# Altium PCB Wirless Security Detector.PcbDoc (part 2 of 2)
Units mm, origin at the board's own origin, x right, y up, seen from the top; angles counter-clockwise.
Board outline 100.3 x 96.77 mm, 4 copper layers (Top Layer, GROUND, Int2 (PWR), Bottom Layer), stack 1.369 mm thick; 127 components, 88 nets, 449 pads, 106 vias.
Unrouted connection lines stored in the file: 24.
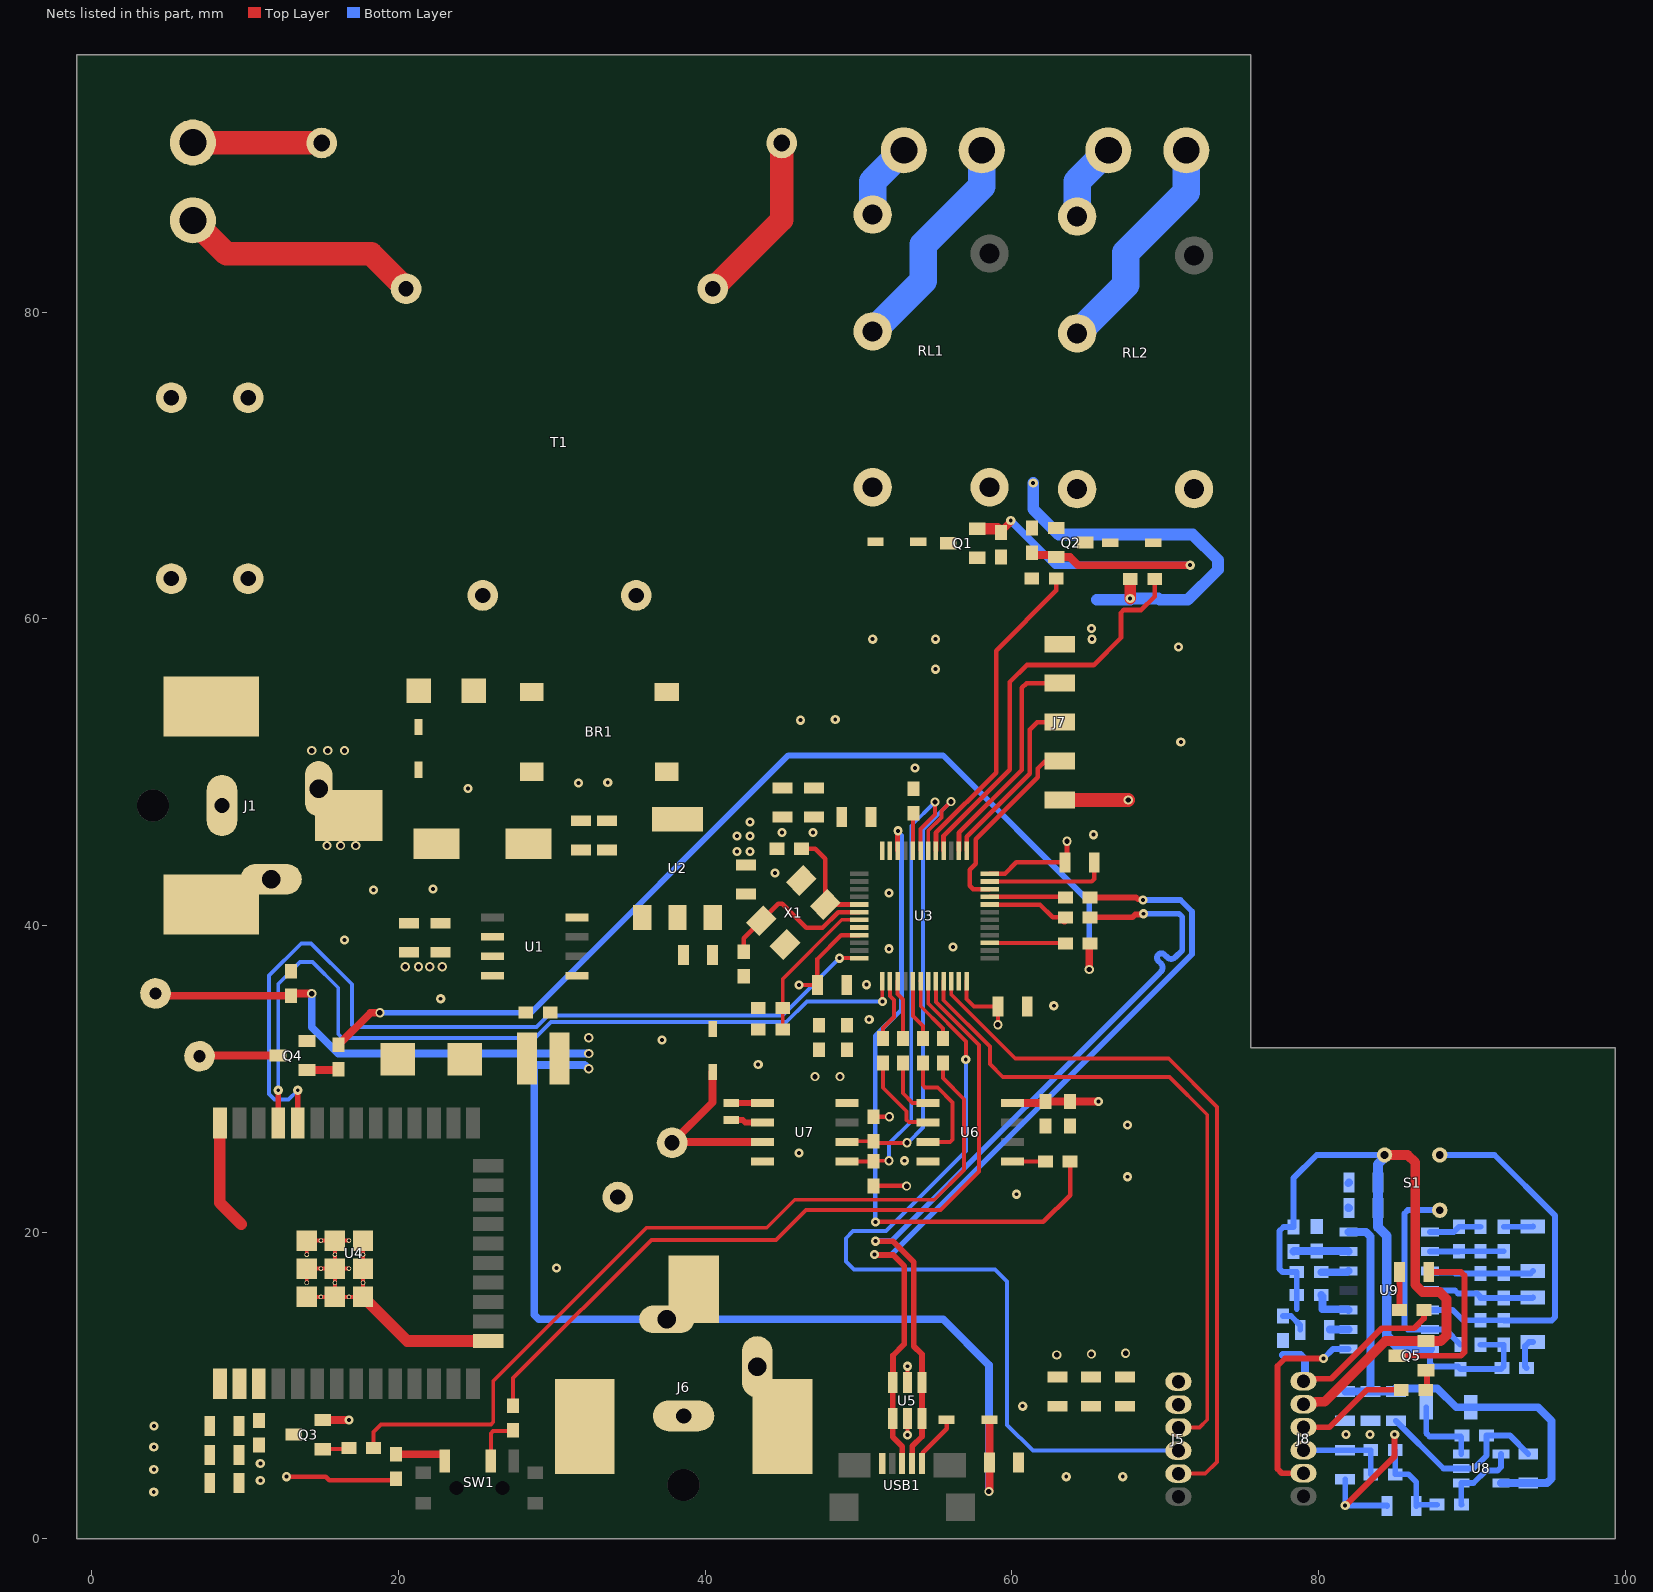
[diagram p4: the nets of this part, all layers, seen from the top]

## Via types
v1: diameter 0.6, hole 0.254, Top Layer to Bottom Layer, 75 vias
v2: diameter 0.6, hole 0.35, Top Layer to Bottom Layer, 29 vias
v3: diameter 0.6, hole 0.35, Top Layer to Bottom Layer, tented both sides, 2 vias

## Nets (pads, with @x,y where several pads share a name; then routed paths per layer and width w, separated by ;. In a path a pad name is that pad's centre, name@x,y a point inside that pad or via, vN(x,y) a via of type N, cw(c..) or ccw(c..) an arc to the next point about the centre after c; other vN are vias at no path point)
3V3DC: C6.2 C7.2 C11.2 C13.2 C14.2 C15.2 C16.2 C17.2 C21.2 C22.2 C23.2 C24.2 C25.2 C26.2 C28.2 C29.2 C46.2 C47.2 D5.2 J5.1 J7.1 R7.2 R8.2 R10.2 R14.1 U2.3 U3.9 U3.24 U3.36 U3.48 U4.2 U5.5 U6.8 U7.8 | length 39.1
  Top Layer w0.254: v1(53.188,6.782) U5.5@53.188,7.849 ; U3.24@57.05,36.375 57.05,35.206 57.535,34.722 C22.2@59.106,34.722 ; v2(59.091,33.528) 59.098,33.536 C22.2@59.098,34.714
  Top Layer w0.279: v1(46.126,36.119) C23.2@47.335,36.119 ; C23.2@47.32,36.185 47.32,37.821 48.875,39.375 U3.9@50.05,39.375 ; U3.36@58.55,43.375 59.555,43.375
  Top Layer w0.305: v1(12.7,4.064) 15.265,4.064 15.491,3.839 R10.2@19.837,3.839 ; R7.2@50.972,27.559 50.997,27.534 v2(52.019,27.534) ; R8.2@50.978,23.026 53.125,23.025 v2(53.137,23.012) ; 59.555,43.375 60.3,44.12 C21.2@63.475,44.12 ; C21.2@63.602,44.12 v2(63.602,45.491)
  Top Layer w0.508: U6.8@60.05,28.43 62.105,28.43 C28.2@62.2,28.525 C47.2@63.8,28.525 v1(65.658,28.525)
  Top Layer w0.889: J7.1@63.119,48.184 v2(67.589,48.184)
  other v1: 10.998,3.81 10.998,4.928 42.088,44.831 42.926,44.831 42.088,45.847 42.926,45.847 42.926,46.761
  other v2: 62.926,12.004 65.186,12.055 67.421,12.105 47.168,30.15 48.793,30.15
3V3DC_S: C35.2 C41.2 C42.2 C43.1 C44.1 C45.1 J8.1 R30.2 R31.2 R33.2 RT1.2 U8.5 U9.14 | length 46.5
  Top Layer w0.381: J8.1@79.019,10.29 79.176,10.447 80.83,10.447 84.125,13.741 86.233,13.741 86.868,14.376 86.868,14.922 R33.2@86.881,14.935
  Bottom Layer w0.508: 77.673,11.989 78.823,11.989 79.121,11.691 79.121,10.391 J8.1@79.019,10.29 ; C44.1@81.737,9.611 C45.1@83.388,9.611 ; C41.2@81.94,21.631 C41.2@81.981,21.59 C41.2@81.951,21.56 ; C42.2@81.94,23.2 C42.2@81.981,23.241 ; U9.14@81.951,20.018 83.091,20.018 83.388,19.72 C45.1@83.388,9.611 ; C43.1@85.039,9.611 C45.1@83.388,9.611 ; C43.1@85.039,9.817 87.742,9.817 88.974,8.585 RT1.2@89.918,8.585 94.31,8.585 95.199,7.696 95.199,3.945 94.902,3.647 C35.2@93.675,3.647 U8.5@91.902,3.647
"5V DC": BZ1.2 C3.2 C4.2 C9.1 C12.2 C30.2 D3.1 J6.1 L1.2 U1.4 U2.1 | length 95.1
  Top Layer w0.508: BZ1.2@4.166,35.573 4.314,35.425 C30.2@13,35.425 13.135,35.56 v3(14.351,35.56) ; v2(58.506,3.099) 58.506,3.124 58.537,3.154 C12.2@58.537,4.978 58.547,4.989 D3.1@58.547,7.772
  Bottom Layer w0.508: v3(14.351,35.56) 14.351,33.376 16.078,31.648 v3(32.41,31.648) ; v2(32.41,30.658) 32.386,30.658 32.132,30.912 28.942,30.912 28.854,30.824 28.854,14.623 29.152,14.325 J6.1@37.5,14.325 55.525,14.325 58.506,11.344 v2(58.506,3.099)
  other v2: 32.41,32.69
"12V DC": C1.2 C2.2 D2.1 D4.1 D8.1 J1.1 RL1.5 RL2.4 U1.7
  other v2: 20.447,37.313 21.311,37.313 22.047,37.313 22.86,37.313 15.342,45.212 16.231,45.212 17.221,45.212 14.351,51.41 15.392,51.41 16.485,51.41
AC_LINE_1: J3.1 R1.1 | length 8.4
  Top Layer w1.524: J3.1@6.604,91.059 6.621,91.042 14.983,91.042 R1.1@15,91.025
AC_LINE_2: J3.2 T1.5 | length 15.7
  Top Layer w1.524: J3.2@6.604,85.979 8.788,83.795 18.23,83.795 T1.5@20.5,81.525
BUZZER: R13.2 R17.1 | length 66.9
  Top Layer w0.508: R17.1@16.1,32.225 18.19,34.315 v2(18.796,34.315) ; v2(65.049,37.135) 65.049,38.774 R13.2@65.1,38.825
  Bottom Layer w0.381: v2(18.796,34.315) 28.645,34.315 45.428,51.098 55.512,51.098 65.049,41.56 v2(65.049,37.135)
GND: BR1.4 C1.1 C2.1 C3.1 C4.1 C6.1 C7.1 C8.2 C9.2 C10.2 C11.1 C12.1 C13.1 C14.1 C15.1 C16.1 C17.1 C18.1 C19.1 C20.2 C21.1 C22.1 C23.1 C24.1 C25.1 C26.1 C27.2 C28.1 C29.1 C30.1 C46.1 C47.1 D1.A J1.2 J1.3 J5.2 J6.2 J6.3 J7.5 Q1.2 Q2.2 Q3.2 Q4.2 R3.1 R5.1 R9.1 R34.1 U1.6 U2.2 U3.8 U3.23 U3.35 U3.47 U4.1 U4.15 U4.38 U4.39 U5.2 U6.4 U7.4 USB1.5 X1.1 X1.3 | length 71.9
  Top Layer w0.254: U4.39@14.025,15.79 U4.39@14.942,15.79 U4.39@15.86,15.79 ; U4.39@14.025,16.707 U4.39@14.025,17.625 U4.39@14.942,17.625 U4.39@15.86,17.625 ; U4.39@14.025,18.542 U4.39@14.025,19.46 U4.39@14.942,19.46 U4.39@15.86,19.46 ; U4.39@16.778,17.625 U4.39@15.86,17.625 ; U4.39@16.778,19.46 U4.39@15.86,19.46 ; U4.39@17.695,19.46 U4.39@17.695,18.542 U4.39@17.695,17.625 U4.39@17.695,16.707 U4.39@17.695,15.79 U4.39@16.778,15.79 U4.39@15.86,15.79 ; U5.2@53.188,10.199 v1(53.188,11.265) ; U4.39@15.86,15.79 U4.39@15.86,16.707 U4.39@15.86,17.625 ; U4.39@15.86,17.625 U4.39@15.86,18.542 U4.39@15.86,19.46
  Top Layer w0.279: U3.35@58.55,42.875 65.211,42.875 65.375,43.039 C21.1@65.375,44.12
  Top Layer w0.508: Q3.2@15.067,7.757 v1(16.779,7.757) ; R3.1@59.3,65.625 59.3,65.714 59.926,66.34 v1(59.926,66.403) ; R5.1@61.316,64.313 61.316,64.304 61.455,64.165 62.76,64.165 Q2.2@62.9,64.025 63.791,64.025 64.316,63.5 v1(71.628,63.5)
  Top Layer w0.762: U4.38@8.36,27.125 8.36,21.917 9.758,20.519 ; U4.39@17.695,15.79 20.575,12.91 U4.15@25.87,12.91 ; Q1.2@57.745,65.875 59.05,65.875 R3.1@59.3,65.625
  Bottom Layer w0.508: v1(59.926,66.403) 62.83,63.5 v1(71.628,63.5)
  other v1: 4.048,3.066 63.551,4.064 67.234,4.064 4.053,4.539 4.053,5.991 4.064,7.366 60.706,8.661 30.302,17.678 60.3,22.479 67.539,23.622 53.01,24.663 46.126,25.171 67.539,27 43.459,30.937 37.186,32.537 50.698,33.884 62.738,34.773 22.758,35.23 50.521,36.144 51.994,38.481 56.159,38.608 16.485,39.065 51.994,42.113 18.375,42.325 22.252,42.385 44.552,43.434 65.326,45.927 45.009,46.076 47.041,46.076 24.536,48.946 31.75,49.301 33.655,49.327 53.688,50.267 71.018,51.968 46.228,53.391 48.489,53.442 55.016,56.718 70.866,58.166 50.927,58.674 55.016,58.674 65.227,58.674 65.202,59.36
GND_S: C34.1 C35.1 C37.1 C38.1 C39.1 C40.1 C41.1 C42.1 C43.2 C44.2 C45.2 J8.2 Q5.2 R19.1 R21.1 R25.1 R28.1 R29.1 S1.3 U8.2 U9.7 | length 89.7
  Top Layer w0.381: v1(81.737,2.174) 84.963,5.4 v1(84.963,6.807)
  Top Layer w0.635: J8.2@79.019,8.79 79.128,8.898 79.777,8.898 79.826,8.947 80.397,8.947 84.353,12.903 Q5.2@86.995,12.903 87.969,12.903 88.341,13.275 88.341,15.655 87.897,16.1 86.782,16.1 86.309,16.572 86.309,24.545 85.814,25.041 S1.3@84.306,25.041
  Bottom Layer w0.381: 78.575,14.986 R28.1@78.575,17.399 77.668,17.399 77.445,17.622 77.445,20.079 77.711,20.345 C40.1@78.359,20.345 78.359,23.52 79.88,25.041 S1.3@84.306,25.041 ; C39.1@81.737,3.891 v1(81.737,2.174) 84.455,2.174 C37.1@84.47,2.159 ; C41.1@83.871,21.6 C41.1@83.881,21.59 ; C43.2@85.039,7.711 88.153,4.597 U8.2@89.302,4.597 90.106,4.597 90.945,5.436 R19.1@90.945,6.756 92.466,6.756 C35.1@93.675,5.547 ; U9.7@87.271,12.398 87.271,11.463 87.495,11.239 89.09,11.239 C34.1@89.256,11.074 91.885,11.074 R21.1@91.961,11.151 92.075,11.265 R25.1@92.075,12.662 C38.1@90.551,12.662
  Bottom Layer w0.635: C41.1@83.871,21.6 83.871,24.438 S1.3@84.306,24.873 ; C41.1@83.881,21.59 83.881,20.335 84.455,19.761 84.455,13.233 85.29,12.398 U9.7@87.271,12.398
  other v1: 81.788,6.807 83.363,6.807
LED_DRIVER: J5.3 U3.21 | length 44.2
  Top Layer w0.254: U3.21@55.55,36.375 55.55,35.131 58.572,32.109 58.572,30.963 59.411,30.124 70.282,30.124 72.746,27.661 72.746,7.772 72.236,7.263 J5.3@70.866,7.263
LED_S: J8.3 R32.1 | length 7.4
  Top Layer w0.381: J8.3@79.019,7.29 80.721,7.29 83.16,9.728 R32.1@85.395,9.728
"LİGHT_1 GND": J4.2 RL1.3 | length 5
  Bottom Layer w1.778: RL1.3@50.927,86.36 50.927,88.519 J4.2@52.959,90.551
"LİGHT_1 VCC": J4.1 RL1.2 | length 14.8
  Bottom Layer w1.778: RL1.2@50.927,78.74 54.229,82.042 54.229,84.404 58.039,88.214 J4.1@58.039,90.551
"LİGHT_2 GND": J2.2 RL2.3 | length 5.2
  Bottom Layer w1.778: RL2.3@64.262,86.233 64.262,88.519 J2.2@66.294,90.551
"LİGHT_2 VCC": J2.1 RL2.2 | length 14.9
  Bottom Layer w1.778: RL2.2@64.262,78.613 67.437,81.788 67.437,83.871 71.374,87.808 J2.1@71.374,90.551
MCU_N: R11.1 U3.32 | length 5.6
  Top Layer w0.305: U3.32@58.563,41.362 61.838,41.362 62.662,40.538 R11.1@63.5,40.538 ; R11.1@63.233,40.361 63.386,40.208 R11.1@63.475,40.208
MCU_P: R12.1 U3.33 | length 5
  Top Layer w0.305: U3.33@58.55,41.875 63.459,41.875 R12.1@63.5,41.834
NetBR1_1: BR1.1 T1.9
NetBR1_2: BR1.2 T1.7
NetBR1_3: BR1.3 F1.1
NetBZ1_1: BZ1.1 Q4.3 | length 5.1
  Top Layer w0.508: BZ1.1@7.034,31.477 7.082,31.525 Q4.3@12.155,31.525
NetC5_1: C5.1 U1.1
NetC5_2: C5.2 D1.C L1.1 U1.8
NetC8_1: C8.1 C10.1 D8.2 F1.2
NetC18_2: C18.2 U3.5 X1.2 | length 7
  Top Layer w0.305: C18.2@46.279,45.009 47.168,45.009 47.828,44.348 X1.2@47.828,41.377 50.049,41.377 U3.5@50.05,41.375
NetC19_2: C19.2 U3.6 X1.4 | length 10.4
  Top Layer w0.305: C19.2@42.52,38.291 42.52,39.179 X1.4@43.656,40.316 44.768,41.428 45.021,41.428 46.597,39.853 47.655,39.853 48.677,40.875 U3.6@50.05,40.875
NetC27_1: C27.1 D5.1 U7.3 | length 11.6
  Top Layer w0.508: D5.1@40.488,30.452 40.488,28.473 C27.1@37.846,25.832 37.904,25.89 U7.3@43.75,25.89
NetC31_1: C31.1 R21.2 | length 2.1
  Bottom Layer w0.381: R21.2@93.561,11.151 93.472,11.239 93.472,12.591 93.732,12.85 C31.1@93.98,12.85
NetC31_2: C31.2 C33.1 R20.1 U9.4 | length 7
  Bottom Layer w0.381: U9.4@87.271,16.208 88.897,16.208 89.103,16.002 90.348,16.002 90.551,15.799 C33.1@90.551,15.71 R20.1@92.075,15.71 93.94,15.71 C31.2@93.98,15.75
NetC32_1: C32.1 C33.2 R20.2 U9.3 | length 6.8
  Bottom Layer w0.381: U9.3@87.271,17.478 87.371,17.378 88.844,17.378 88.913,17.31 R20.2@92.075,17.31 93.817,17.31 C32.1@93.98,17.473
NetC32_2: C32.2 R22.1 | length 1.9
  Bottom Layer w0.381: R22.1@92.075,20.358 93.965,20.358 C32.2@93.98,20.373
NetC34_2: C34.2 S1.1 U9.6 | length 13.9
  Bottom Layer w0.381: S1.1@87.906,21.441 85.821,21.441 85.598,21.218 85.598,13.891 85.821,13.668 86.829,13.668 U9.6@87.271,13.668 88.262,13.668 C34.2@89.256,12.675
NetC36_1: C36.1 R22.2 R24.1 U9.2 | length 4.8
  Bottom Layer w0.381: U9.2@87.271,18.748 89.144,18.748 R24.1@89.154,18.758 C36.1@90.551,18.758 R22.2@92.075,18.758
NetC36_2: C36.2 R24.2 U9.1 | length 3.4
  Bottom Layer w0.381: U9.1@87.271,20.018 88.814,20.018 R24.2@89.154,20.358 C36.2@90.551,20.358
NetC37_2: C37.2 R23.2 R26.1 R27.1 | length 6.1
  Bottom Layer w0.381: R27.1@85.001,5.791 R26.1@85.001,4.216 85.872,4.216 86.37,3.719 C37.2@86.37,2.159 86.446,2.235 R23.2@87.719,2.235
NetC38_2: C38.2 R25.2 S1.2 U9.5 | length 24.3
  Bottom Layer w0.381: U9.5@87.271,14.938 88.745,14.938 89.421,14.262 C38.2@90.551,14.262 R25.2@92.075,14.262 92.088,14.249 95.205,14.249 95.428,14.473 95.428,21.082 91.469,25.041 S1.2@87.906,25.041
NetC40_2: C40.2 R31.1 U9.13 | length 3.6
  Bottom Layer w0.508: C40.2@78.359,18.745 78.397,18.783 R31.1@79.883,18.783 81.916,18.783 U9.13@81.951,18.748
NetD2_2: D2.2 Q1.3 RL1.4
NetD3_2: D3.2 USB1.1 | length 3.5
  Top Layer w0.305: USB1.1@54.15,4.925 54.198,4.973 54.198,5.63 55.747,7.179 D3.2@55.747,7.772
NetD4_2: D4.2 Q2.3 RL2.5
NetD6_1: D6.1 U9.9 | length 1.2
  Bottom Layer w0.508: D6.1@80.734,13.668 80.748,13.654 81.937,13.654 U9.9@81.951,13.668
NetD6_2: D6.2 R30.1 | length 1.7
  Bottom Layer w0.381: R30.1@77.673,14.541 78.204,14.541 78.806,13.94 D6.2@78.806,13.64
NetD7_1: D7.1 Q5.3 | length 11.9
  Top Layer w0.381: Q5.3@85.105,11.953 89.286,11.953 89.51,12.176 89.51,17.176 89.286,17.399 D7.1@87.183,17.399
NetD7_2: D7.2 R33.1 | length 2.5
  Top Layer w0.381: R33.1@85.281,14.935 85.283,14.938 D7.2@85.283,17.399
NetJ5_5: J5.5 U3.22 | length 47.2
  Top Layer w0.254: U3.22@56.05,36.375 56.05,35.491 60.223,31.318 70.231,31.318 73.381,28.169 73.381,5.029 72.614,4.263 J5.5@70.866,4.263
NetJ8_5: J8.5 U9.8 | length 13.6
  Top Layer w0.381: J8.5@79.019,4.29 77.6,4.29 77.318,4.572 77.318,11.278 77.813,11.773 v1(80.328,11.773)
  Bottom Layer w0.381: v1(80.328,11.773) 80.953,12.398 U9.8@81.951,12.398
NetQ1_1: Q1.1 R2.2 R3.2
NetQ2_1: Q2.1 R4.2 R5.2 | length 25.8
  Top Layer w0.762: v1(67.716,61.321) R4.2@67.716,62.586
  Bottom Layer w0.762: v1(61.392,68.859) 61.392,67.158 63.055,65.494 71.793,65.494 73.446,63.841 73.446,63.21 71.476,61.239 69.637,61.239 69.555,61.321 v1(67.716,61.321) ; 65.532,61.239 v1@67.716,61.239
NetQ3_1: Q3.1 R15.2 | length 1.7
  Top Layer w0.254: Q3.1@15.067,5.857 16.69,5.857 R15.2@16.777,5.944
NetQ4_1: Q4.1 R17.2 | length 2.1
  Top Layer w0.508: Q4.1@14.045,30.575 16.05,30.575 R17.2@16.1,30.625
NetQ5_1: Q5.1 R32.2 | length 1.3
  Top Layer w0.381: R32.2@86.995,9.728 87.071,9.804 87.071,10.927 Q5.1@86.995,11.003
NetR1_2: R1.2 T1.1 | length 11.4
  Top Layer w1.524: T1.1@40.5,81.525 45,86.025 R1.2@45,91.025
NetR2_1: R2.1 U3.41 | length 21
  Top Layer w0.305: U3.41@55.05,44.875 55.05,46.038 58.976,49.965 58.976,57.927 62.9,61.85 R2.1@62.9,62.625
NetR4_1: R4.1 U3.40 | length 26.6
  Top Layer w0.305: U3.40@55.55,44.875 55.55,45.856 59.868,50.174 59.868,55.88 60.973,56.985 65.341,56.985 67.12,58.763 67.12,60.4 67.298,60.579 68.44,60.579 69.317,61.455 R4.1@69.317,62.586
NetR6_2: R6.2 SW1.2 | length 3.3
  Top Layer w0.254: SW1.2@26.03,5.075 26.03,6.887 26.178,7.036 27.432,7.036 R6.2@27.483,7.087
NetR10_1: R10.1 SW1.1 | length 3.6
  Top Layer w0.508: R10.1@19.837,5.527 22.934,5.527 23.03,5.431 SW1.1@23.03,5.075
NetR13_1: R13.1 U3.27 | length 5
  Top Layer w0.254: U3.27@58.55,38.875 63.45,38.875 R13.1@63.5,38.825
NetR16_1: R16.1 U3.18 | length 4.3
  Top Layer w0.254: U3.18@54.05,36.375 54.059,36.366 54.059,34.739 55.5,33.298 R16.1@55.5,32.636
NetR18_1: R18.1 U6.5 | length 2.2
  Top Layer w0.254: U6.5@60.05,24.62 60.055,24.625 R18.1@62.2,24.625
NetR19_2: R19.2 RT1.1 U8.3 | length 5.2
  Bottom Layer w0.381: RT1.1@87.018,8.585 87.018,6.903 87.241,6.68 89.268,6.68 89.302,6.647 U8.3@89.302,5.547
NetR23_1: R23.1 U8.1 U8.4 | length 5.3
  Bottom Layer w0.381: R23.1@89.319,2.235 89.302,2.252 U8.1@89.302,3.647 90.106,3.647 90.929,4.47 91.679,4.47 91.902,4.694 U8.4@91.902,5.547
NetR28_2: R28.2 U9.12 | length 1.8
  Bottom Layer w0.508: R28.2@80.175,17.399 81.872,17.399 U9.12@81.951,17.478
NetR29_2: R29.2 U9.10 | length 2.7
  Bottom Layer w0.508: R29.2@80.175,15.9 80.264,15.811 80.264,14.986 81.903,14.986 U9.10@81.951,14.938
NetR34_2: R34.2 U3.44 | length 2.5
  Top Layer w0.203: R34.2@53.55,47.276 R34.2@53.594,47.32
  Top Layer w0.254: U3.44@53.55,44.875 R34.2@53.55,47.276
NetR35_1: R35.1 U6.1 | length 3.9
  Top Layer w0.254: R35.1@52.9,31.036 52.9,29.066 53.536,28.43 U6.1@54.55,28.43
NetR36_1: R36.1 U6.3 | length 7.9
  Top Layer w0.254: R36.1@54.2,31.036 54.2,29.587 54.349,29.439 55.169,29.439 56.134,28.473 56.134,26.039 55.985,25.89 U6.3@54.55,25.89
NetR37_1: R37.1 U6.2 | length 5.8
  Top Layer w0.254: R37.1@51.6,31.036 51.6,29.426 53.137,27.889 53.137,27.327 53.286,27.178 54.532,27.178 U6.2@54.55,27.16
NetU7_1: U7.1 X2.2 | length 2.1
  Top Layer w0.381: X2.2@41.7,28.425 U7.1@43.745,28.425
  Top Layer w0.508: U7.1@43.745,28.425 U7.1@43.75,28.43
NetU7_2: U7.2 X2.1 | length 2.1
  Top Layer w0.381: X2.1@41.7,27.325 42.454,27.325 42.454,27.32 42.614,27.16 U7.2@43.75,27.16
NRST: C20.1 R9.2 U3.7 | length 9.9
  Top Layer w0.254: R9.2@45.06,33.22 C20.1@45.06,34.62 45.06,36.525 48.909,40.375 U3.7@50.05,40.375
"RTC SCL": R7.1 U3.42 U7.6 | length 31.3
  Top Layer w0.254: U7.6@49.25,25.89 49.293,25.933 50.972,25.933 51.073,25.832 v2(53.162,25.832) ; U3.42@54.55,44.875 54.55,46.185 55.423,47.058 55.423,47.473 v2(56.032,48.082)
  Bottom Layer w0.254: v2(53.162,25.832) 53.213,25.832 54.204,26.822 54.204,46.253 v2(56.032,48.082)
"RTC SDA": R8.1 U3.43 U7.5 | length 31
  Top Layer w0.254: U7.5@49.25,24.62 49.255,24.625 R8.1@50.978,24.626 51.016,24.663 v2(51.994,24.663) ; U3.43@54.05,44.875 54.05,46.296 54.991,47.237 v2(54.991,48.057)
  Bottom Layer w0.254: v2(51.994,24.663) 51.994,25.781 53.442,27.229 53.442,46.507 v2(54.991,48.057)
"SENSOR ON/OFF": R6.1 U3.20 | length 51.3
  Top Layer w0.254: R6.1@27.483,8.687 27.483,10.49 36.5,19.507 44.628,19.507 46.584,21.463 55.347,21.463 57.857,23.974 57.857,30.451 57.861,30.455 57.861,32.21 55.05,35.021 U3.20@55.05,36.375
SWCLK: J7.3 U3.37 | length 11.8
  Top Layer w0.305: U3.37@57.05,44.875 57.05,45.798 61.163,49.911 61.163,52.781 61.646,53.264 J7.3@63.119,53.264
SWDIO: J7.2 U3.34 | length 12.5
  Top Layer w0.305: U3.34@58.55,42.375 57.472,42.375 57.252,42.596 57.252,43.625 57.658,44.031 57.658,45.631 61.697,49.67 61.697,50.241 62.179,50.724 J7.2@63.119,50.724
TDI: J7.4 U3.38 | length 14.9
  Top Layer w0.305: U3.38@56.55,44.875 56.55,46.038 60.655,50.143 60.655,55.499 60.96,55.804 J7.4@63.119,55.804
"TEMP IN CS": R37.2 U3.14 | length 4.2
  Top Layer w0.254: R37.2@51.6,32.636 51.6,33.31 52.324,34.034 52.324,35.145 52.05,35.419 U3.14@52.05,36.375
"TEMP IN OT": R18.2 U3.46 | length 43.2
  Top Layer w0.305: v1(51.105,20.676) 62.052,20.676 63.8,22.424 R18.2@63.8,24.625 ; U3.46@52.55,44.875 52.55,46.149 v1(52.578,46.177)
  Bottom Layer w0.305: v1(51.105,20.676) 51.105,32.815 52.807,34.517 52.807,45.869 52.578,46.097 v1(52.578,46.177)
"TEMP IN SCLK": R35.2 U3.15 | length 3.9
  Top Layer w0.254: U3.15@52.55,36.375 52.55,35.53 52.9,35.18 R35.2@52.9,32.636
"TEMP IN SIO": R36.2 U3.17 | length 4
  Top Layer w0.254: U3.17@53.55,36.375 53.55,34.105 54.2,33.455 R36.2@54.2,32.636
TEMP_ADC: C39.2 J8.4 R26.2 R27.2 | length 6
  Bottom Layer w0.381: J8.4@79.019,5.79 81.736,5.79 C39.2@81.737,5.791 R27.2@83.401,5.791 R26.2@83.401,4.216
TEMPERATURE_ADC: J5.4 U3.19 | length 56.1
  Top Layer w0.254: U3.19@54.55,36.375 54.55,34.91 57.018,32.442 57.018,31.288 v1(56.998,31.267)
  Bottom Layer w0.254: v1(56.998,31.267) 57.018,31.247 57.018,25.302 51.787,20.071 49.636,20.071 49.174,19.609 49.174,18.107 49.704,17.577 58.903,17.577 59.69,16.789 59.69,7.442 61.369,5.763 J5.4@70.866,5.763
USB_N: R11.2 U5.1 U5.6 USB1.2 | length 54.1
  Top Layer w0.374: v1(51.115,19.419) 52.259,19.419 53.611,18.067 53.611,12.566 54.138,12.04 U5.1@54.138,10.199 U5.6@54.138,7.849 54.138,6.69 53.5,6.053 USB1.2@53.5,4.925 ; R11.2@65.1,40.538 67.869,40.538 68.045,40.714 68.378,40.714 68.387,40.724 68.547,40.724 v1(68.59,40.767)
  Bottom Layer w0.374: v1(51.115,19.419) 51.133,19.437 52.163,19.437 69.588,36.863 69.721,36.995 ccw(c69.456,37.26) 69.721,37.524 69.551,37.694 cw(c69.755,37.898) 69.551,38.102 cw(c69.755,37.898) 69.959,38.102 70.129,37.932 ccw(c70.393,38.197) 70.658,37.932 71.12,38.394 71.12,40.548 70.901,40.767 v1(68.59,40.767)
USB_P: R12.2 U5.3 U5.4 USB1.3 | length 54.3
  Top Layer w0.374: v1(51.054,18.542) 51.072,18.524 52.266,18.524 52.983,17.806 52.983,12.705 52.252,11.974 U5.3@52.252,10.199 ; U5.3@52.238,10.199 U5.4@52.238,7.849 52.238,6.65 52.85,6.038 USB1.3@52.85,4.925 ; R12.2@65.1,41.834 68.097,41.834 68.224,41.707 68.504,41.707 v1(68.547,41.664)
  Bottom Layer w0.374: v1(51.054,18.542) 52.156,18.542 71.748,38.134 71.748,40.91 70.994,41.664 v1(68.547,41.664)
"WIFI EN": R15.1 R16.2 | length 55.7
  Top Layer w0.254: R15.1@18.377,5.944 18.377,6.972 18.872,7.468 26.039,7.468 26.187,7.616 26.187,10.312 36.17,20.295 44.018,20.295 45.847,22.123 54.94,22.123 56.871,24.054 56.871,28.677 55.5,30.047 R16.2@55.5,31.036
"WIFI OUT": Q3.3 R14.2 U4.3
WIFI_RXD: U3.12 U4.34 | length 57.2
  Top Layer w0.254: U4.34@13.437,27.128 U4.34@13.44,27.125 ; v1(48.768,37.871) 50.047,37.871 U3.12@50.05,37.875
  Top Layer w0.381: U4.34@13.437,27.128 v1(13.437,29.261)
  Bottom Layer w0.254: v1(13.437,29.261) 12.832,28.656 11.916,28.656 11.562,29.01 11.562,36.733 13.665,38.837 14.3,38.837 16.967,36.17 16.967,33.524 17.116,33.376 29.006,33.376 29.768,34.138 45.034,34.138 v1(48.768,37.871)
WIFI_TXD: U3.13 U4.35 | length 55.2
  Top Layer w0.254: U4.35@12.167,27.128 U4.35@12.17,27.125 ; U3.13@51.55,36.375 51.55,35.064 v1(51.562,35.052)
  Top Layer w0.381: U4.35@12.167,27.128 v1(12.167,29.261)
  Bottom Layer w0.254: v1(12.167,29.261) 12.167,36.195 13.589,37.617 14.402,37.617 16.078,35.941 16.078,32.918 16.332,32.664 28.905,32.664 29.947,33.706 45.288,33.706 46.634,35.052 v1(51.562,35.052)
pads on no net: J1. J5.6 J6. J8.6 RL1.1 RL2.1 SW1. SW1.3 U1.2 U1.3 U1.5 U3.1 U3.2 U3.3 U3.4 U3.10 U3.11 U3.16 U3.25 U3.26 U3.28 U3.29 U3.30 U3.31 U3.39 U3.45 U4.4 U4.5 U4.6 U4.7 U4.8 U4.9 U4.10 U4.11 U4.12 U4.13 U4.14 U4.16 U4.17 U4.18 U4.19 U4.20 U4.21 U4.22 U4.23 U4.24 U4.25 U4.26 U4.27 U4.28 U4.29 U4.30 U4.31 U4.32 U4.33 U4.36 U4.37 U6.6 U6.7 U7.7 U9.11 USB1. USB1.4

## Polygon pours and split planes (outlines as drawn)
GND on Top Layer (solid, pour order 41): 3.226,2.286 5.207,2.286 6.02,2.286 7.061,2.286 8.407,2.286 8.89,2.616 8.89,11.291 8.891,11.292 8.891,13.69 8.89,13.691 9.347,14.148 19.431,14.148 19.431,20.574 18.644,21.361 13.284,21.361 7.976,21.869 5.156,18.745 5.156,9.398 3.226,9.398
GND on Top Layer "GND_L01_P022" (solid, remove dead copper, pour order 22): 5.309,78.435 2.845,78.435 1.651,77.241 1.651,31.064 4.191,28.524 26.518,28.524 28.55,26.492 28.55,8.204 29.718,7.036 29.718,1.6 30.556,0.762 30.582,0.787 72.974,0.787 74.193,2.007 74.193,58.547 72.568,60.173 48.539,60.173 47.015,58.649 47.015,55.499 44.094,52.578 44.094,52.629 34.417,52.629 33.299,51.511 18.796,51.511 10.338,59.969 7.925,59.969 7.036,60.858 7.036,76.733 5.309,78.461
GND_S on Top Layer "GND_S_L01_P026" (solid, remove dead copper, pour order 26): 76.606,1.905 76.69,29.979 78.08,31.369 97.841,31.369 98.704,30.505 98.704,2.515 97.333,1.143 77.368,1.143
3V3DC on Top Layer "3V3DC_L01_P013" (solid, pour order 13): 39.294,43.763 39.294,33.145 40.054,32.385 40.869,32.385 41.707,33.223 41.707,42.331 41.87,42.494 43.713,42.494 43.739,42.52 43.739,47.676 44.094,48.031 49.705,48.031 cw(c30.49,40.601) 50.314,46.21 51.34,45.558 51.338,44.274 51.782,44.274 51.758,48.877 50.622,50.013 44.247,50.013 40.288,46.054
NetC8_1 on Top Layer "NETC8_1_L01_P004" (solid, pour order 4): 19.66,57.209 22.733,57.209 22.733,54.136 22.733,52.525 22.25,51.867 20.279,51.867 18.812,55.719 12.707,60.96 8.687,60.96 8.687,76.175 8.636,76.225 11.709,76.225 11.709,64.321
"5V DC" on Top Layer "5V_DC_L01_P007" (solid, pour order 11): 35.027,39.624 35.382,39.268 36.83,39.268 36.83,42.342 36.83,43.536 34.392,45.974 31.293,45.974 30.531,46.736 30.353,46.914 26.619,46.914 26.441,46.736 26.441,43.967 27.655,43.465 30.264,39.751 32.893,39.751 32.893,39.7 32.893,33.426 32.817,33.35 29.718,33.35 29.718,29.718 29.921,29.515 33.858,29.515 34.646,30.302 34.646,40.538 30.836,44.348 32.207,44.348 35.027,41.529
NetBR1_2 on Top Layer "NETBR1_2_L01_P016" (solid, pour order 16): 23.876,62.509 23.876,61.119 24.366,59.969 29.007,59.969 34.9,54.077 38.608,54.077 39.014,54.483 39.014,55.956 38.557,56.413 35.992,56.413 29.286,63.119 24.486,63.119
NetBR1_1 on Top Layer "NETBR1_1_L01_P017" (solid, pour order 17): 35.585,63.627 34.036,63.627 33.971,63.562 33.426,62.931 33.426,60.122 34.061,59.487 36.601,59.487 37.77,60.655 39.243,60.655 40.462,59.436 40.462,52.73 39.37,51.638 36.779,51.638 35.839,50.698 35.839,49.225 36.398,48.666 39.116,48.666 42.342,51.892 42.342,60.02 41.148,61.214 38.76,63.602 38.176,63.602
GND on Bottom Layer (solid, pour order 39): 5.74,2.286 7.087,0.94 73.076,0.94 74.549,2.413 74.549,59.08 73.279,60.35 50.19,60.35 46.965,57.125 8.433,57.125 7.417,58.141 7.417,63.627 5.994,65.049 3.353,65.049 1.702,63.398 1.702,50.394 1.702,43.84 2.819,42.723 6.421,42.723 8.808,40.335 10.714,40.335 13.386,39.192 13.386,36.83 12.421,36.723 12.421,31.121 15.113,29.108 26.238,29.108 27.483,27.864 27.483,13.284 20.726,13.284 19.431,14.58 19.431,20.574 18.644,21.361 13.284,21.361 13.284,17.349 5.207,15.444 5.207,9.398 3.226,9.398 3.226,2.286
GND_S on Bottom Layer "GND_S_L04_P027" (solid, remove dead copper, pour order 27): 76.708,29.997 78.105,31.394 97.815,31.394 98.73,30.48 98.73,2.565 97.307,1.143 77.368,1.143 76.683,1.829 76.708,1.854
"5V DC" on Int2 (PWR) (split plane): 34.593,33.617 34.593,30.137 33.414,28.957 28.753,28.957 28.713,28.952 28.676,28.937 28.644,28.912 28.212,28.48 28.188,28.449 28.173,28.412 28.167,28.372 28.167,15.24 28.173,15.2 28.188,15.163 28.212,15.131 28.771,14.573 28.803,14.548 28.84,14.533 28.88,14.527 34.087,14.527 34.127,14.533 34.164,14.548 34.195,14.573 36.36,16.737 39.433,16.737 40.461,15.71 40.461,13.195 39.179,11.914 26.226,11.914 25.046,13.094 25.046,28.918 30.62,34.492 33.718,34.492
3V3DC_S on Int2 (PWR) (split plane): 98.829,0.51 76.164,0.51 76.164,31.527 98.829,31.527
"12V DC" on Int2 (PWR) (split plane): 151 vertices, not listed, extent 12.677,36.858 74.089,70.838
3V3DC on Int2 (PWR) (split plane): 13.792,57.302 47.269,57.302 47.269,72.796 75.017,72.796 75.017,0.51 -0.455,0.51 -0.455,8.763 7.595,8.763 7.595,28.321 -0.455,28.321 -0.455,77.597 13.792,77.597
GND_S on GROUND (split plane): 98.829,0.51 76.519,0.51 76.519,31.527 98.829,31.527
GND on GROUND (split plane): 0.127,77.597 13.792,77.597 13.792,57.302 47.269,57.302 47.269,72.796 74.661,72.796 74.661,0.51 -0.455,0.51 -0.455,8.763 7.595,8.763 7.595,28.321 -0.455,28.321 -0.455,96.264 0.127,96.264

## Keep-outs
Top Layer:
  circle w0.254: c71.984,34.163 r1.5
Keep-Out Layer:
  lines w0.254: 75.564,32.038 97.155,32.038 99.339,32.038 99.339,0 97.155,0 -0.965,0 -0.965,96.774 75.565,96.774 75.565,32.038

## Other copper
Top Layer:
  region net NetQ2_1: 60.554,65.375 60.816,65.113 63.462,65.113 63.729,65.38 63.729,66.446 63.424,66.751 62.433,66.751 62.255,66.929 62.255,69.063 61.874,69.444 60.858,69.444 60.554,69.139
  region net NetD4_2: 66.091,65.659 65.761,65.989 65.761,69.977 65.405,70.333 63.017,70.333 62.713,70.028 62.713,67.183 62.916,66.98 63.83,66.98 64.008,66.802 64.008,64.491 64.237,64.262 66.904,64.262 67.132,64.491 67.132,65.405 66.878,65.659 66.573,65.659
  region net "12V DC": 26.797,38.481 23.673,38.481 23.444,38.71 19.761,38.71 19.482,38.43 19.482,37.49 20.091,36.881 23.038,36.881 23.673,37.516 26.746,37.516 27,37.77 27,38.278
  region net "12V DC": 18.136,50.8 16.916,52.019 14.122,52.019 12.903,50.8 12.903,45.974 14.021,44.856 19.126,44.856 20.066,45.796 20.066,49.225 21.996,49.225 22.479,49.708 22.479,50.698 22.297,50.881
  region net "12V DC": 49.886,70.079 51.968,70.079 52.553,69.494 52.553,64.973 51.74,64.16 50.013,64.16 49.352,64.821 49.352,69.545
  region net "12V DC": 68.321,64.445 68.605,64.16 69.723,64.16 70.333,64.77 70.333,65.888 71.349,66.904 72.974,66.904 73.406,67.335 73.406,69.875 72.898,70.383 69.367,70.383 68.321,69.337
  region: 71.984,34.671 ccw(c71.984,34.163) 71.476,34.163 ccw(c71.984,34.163) 71.984,33.655 ccw(c71.984,34.163) 72.492,34.163 ccw(c71.984,34.163) 71.984,34.671
  region net 3V3DC: 71.714,9.616 62.164,9.616 61.605,10.175 61.605,11.953 62.164,12.512 69.987,12.512 70.393,12.105 70.787,11.711 71.676,11.711 72.095,11.293 72.095,9.997
  region net 3V3DC: 50.419,27.965 50.419,32.034 49.751,32.703 46.85,32.703 46.304,32.156 46.304,29.388 48.057,29.388 48.387,29.058 48.387,28.092 48.641,27.838 50.292,27.838
  region net 3V3DC: 12.827,2.667 14.173,4.013 14.173,4.191 13.449,4.915 11.836,4.915 11.836,6.223 11.134,6.925 10.4,6.925 10.109,7.216 10.109,11.43 10.008,11.532 9.22,11.532 9.017,11.328 9.017,3.073 9.423,2.667
  region net 3V3DC_S: 78.13,10.566 78.13,10.008 78.461,9.677 79.502,9.677 80.213,10.389 80.146,10.551 79.591,10.922 78.486,10.922
  region net GND_S: 78.13,9.066 78.13,8.508 78.461,8.177 79.502,8.177 80.253,8.928 79.677,9.422 78.486,9.422
  region net LED_S: 78.13,7.566 78.13,7.008 78.461,6.677 79.601,6.677 80.22,7.297 79.578,7.922 79.591,7.922 78.486,7.922
  pour cut-out: 59.25,42.618 68.659,42.618 69.545,41.732 69.545,40.818 68.504,39.776 60.149,39.776 59.233,40.692 59.233,42.647
  region net NetQ1_1: 57.201,64.745 56.921,64.465 56.921,62.103 57.277,61.747 61.773,61.747 61.951,61.925 61.951,63.017 61.671,63.297 60.567,63.297 60.325,63.564 60.325,64.338 59.919,64.745
  region net "WIFI OUT": 10.338,11.303 10.338,7.366 10.516,7.188 11.481,7.188 12.522,6.147 13.767,6.147 14.021,6.401 14.021,7.214 12.979,8.255 11.659,8.255 11.506,8.407 11.506,11.201 11.405,11.303
  region net NetD2_2: 59.69,70.18 54.381,70.18 53.01,68.809 53.01,65.405 53.01,64.668 53.34,64.338 56.413,64.338 56.8,64.725 56.8,66.655 57.175,67.031 59.817,67.031 60.096,67.31 60.096,69.774
  region net NetBR1_3: 29.337,56.845 24.511,56.845 23.749,56.083 23.749,53.95 24.511,53.467 29.464,53.467 29.947,53.95 29.947,56.497
  region net NetC5_2: 27.788,35.077 27.153,35.077 27.109,36.877 26.819,37.16 25.197,37.16 24.994,36.957 24.994,34.569 24.003,33.579 23.393,33.579 22.809,32.995 22.809,30.226 23.724,29.312 28.905,29.312 29.413,29.82 29.413,33.071 28.778,33.706 28.778,34.9 28.6,35.077
  region net NetC5_1: 32.283,37.211 30.531,37.211 29.388,36.068 29.388,33.934 29.642,33.68 32.055,33.68 32.563,34.188 32.563,36.932
Bottom Layer:
  pour cut-out: 26.975,8.661 27.483,9.169 27.483,12.624 27.356,12.497 20.447,12.497 18.796,14.148 9.347,14.148 7.087,11.887 7.087,6.706 14.3,6.706 16.256,8.661
  region net "5V DC": 33.045,29.515 33.858,29.515 34.646,30.302 34.646,33.02 34.315,33.35 30.15,33.35 29.718,32.918 29.718,32.055 29.563,31.9 29.45,31.648 29.563,31.394 29.593,31.394 29.718,31.269 29.45,30.912 29.718,30.48 29.718,30.048 30.251,29.515 31.801,29.515 32.41,29.515
  region net "5V DC": 35.001,14.58 35.916,15.494 39.751,15.494 40.132,15.113 40.742,14.442 40.742,14.107 40.132,13.437 39.726,13.03 36.068,13.03 35.001,14.097
  region net 3V3DC: 70.866,10.163 70.859,10.155 70.231,10.155 70.231,10.719 70.764,11.252 70.968,11.252 71.526,10.693 71.526,10.154
  region net TEMP_ADC: 79.767,6.401 80.204,5.963 80.204,5.616 79.719,5.131 78.435,5.131 78.13,5.436 78.13,6.045 78.486,6.401
  region net 3V3DC_S: 80.67,24.155 79.324,22.809 79.324,19.837 79.578,19.583 82.954,19.583 83.239,19.869 83.239,23.745 82.829,24.155
  region net 3V3DC_S: 80.213,10.897 81.001,10.109 85.674,10.109 85.928,9.855 85.928,9.207 85.637,8.915 80.62,8.915 79.883,9.652 78.283,9.652 78.054,9.881 78.054,10.719 78.232,10.897
  region net GND_S: 79.731,9.423 81.026,8.128 85.7,8.128 85.928,7.899 85.928,7.442 84.912,6.426 81.407,6.426 79.705,8.128 78.257,8.128 78.003,8.382 78.003,9.195 78.232,9.423
  region net NetJ8_5: 78.272,3.679 77.835,4.116 77.835,4.463 78.32,4.949 79.604,4.949 79.908,4.644 79.908,4.034 79.553,3.679
  pour cut-out: 18.687,34.962 17.224,36.426 17.224,33.729 17.475,33.477 17.526,33.528 19.126,33.528 19.126,34.755
GROUND (plane layer: these items are gaps in the copper):
  rectangle: 0.127,77.597 15.519,96.596
  rectangle: 52.68,24.13 53.569,25.146
  rectangle: 69.977,7.899 71.755,10.287
  rectangle: 78.13,7.976 79.858,10.643
  rectangle: 16.51,16.434 17.043,16.993
  rectangle: 14.681,16.459 15.215,16.967
  rectangle: 15.596,17.399 16.078,17.882
  rectangle: 16.485,18.313 17.043,18.796
  rectangle: 14.707,18.288 15.24,18.796
  rectangle: -0.457,8.763 7.595,28.321
  rectangle: 13.97,72.796 75.794,97.13
  rectangle: 13.792,57.302 47.269,97.282
  lines w1.854: 75.59,0.508 75.59,96.352
Int2 (PWR) (plane layer: these items are gaps in the copper):
  rectangle: -0.533,8.763 7.595,28.321
  rectangle: -0.508,77.597 15.519,96.596
  rectangle: 13.792,57.302 47.269,97.282
  rectangle: 14.199,72.796 75.794,97.13
  lines w0.305: 24.892,13.03 24.892,28.981 30.556,34.646 33.782,34.646 34.747,33.68 34.747,30.074 33.477,28.804 28.753,28.804 28.321,28.372 28.321,15.24 28.88,14.681 34.087,14.681 36.297,16.891 39.497,16.891 40.615,15.773 40.615,13.132 39.243,11.76 26.162,11.76 24.892,13.03
  lines w0.559: 12.395,45.517 14.224,44.094 18.898,37.389 19.71,36.576 23.571,36.576 24.384,37.389 24.384,40.64 20.119,44.129 17.594,50.19 48.489,50.19 53.238,54.94 53.238,58.979 54.813,60.554 55.067,60.554 69.693,60.554 72.333,63.488 74.371,67.733 74.371,69.037 73.762,70.307 73.355,70.714 70.307,70.714 69.088,69.494 69.088,66.446 68.158,64.958 54.903,65.208 53.645,66.853 53.645,69.494 52.019,71.12 50.597,71.12 47.854,68.377 47.854,57.252 43.637,53.035 18.898,53.035 17.882,54.051 13.411,54.051 12.395,52.832 12.395,45.517
  lines w1.143: 75.59,0.076 75.59,96.699

## Silkscreen, mask and mechanical layers (free items; w line width, h text height)
Top Overlay:
  drawing of 1312 lines, arcs and shapes, not listed
  text "AC" at 2.972,79.248 h1.52 r90
  text "PROG" at 71.069,60.35 h1
  text "SENSOR" at 69.187,12.24 h0.7
  text "WiFi_sec._det._v01" at 94.958,5.739 h1 r90
  text "Mohammad Soukar" at 96.826,5.739 h1 r90
Bottom Overlay:
  lines w0.254: 78.93,21.59 78.93,22.885 78.943,22.885 ; 82.55,3.302 82.55,0.305 82.575,0.305 82.677,0.305 ; 82.728,0.305 82.677,0.305 ; 90.53,21.981 88.367,21.981 88.367,21.336 88.367,10.262 90.195,10.262 90.195,11.862 92.862,11.862 92.862,21.981 90.551,21.981 90.528,22.004 90.528,27.47 90.602,27.47 94.031,27.47 ; 82.677,0.305 93.955,0.305 94.767,1.118 ; 94.767,1.118 ccw(c95.021,1.118) 95.021,0.864 98.349,0.864 ccw(c98.349,1.118) 98.603,1.118 98.603,6.248 ccw(c98.349,6.248) 98.349,6.502 95.021,6.502 ccw(c95.021,6.248) 94.767,6.248 94.767,1.118 ; 76.81,11.506 ccw(c77.064,11.506) 77.064,11.252 81.178,11.252 ccw(c81.178,11.506) 81.432,11.506 81.432,21.336 ccw(c81.178,21.336) 81.178,21.59 77.064,21.59 ccw(c77.064,21.336) 76.81,21.336 76.81,11.506 ; 76.835,23.139 ccw(c77.089,23.139) 77.089,22.885 80.797,22.885 ccw(c80.797,23.139) 81.051,23.139 81.051,29.108 ccw(c80.797,29.108) 80.797,29.362 77.089,29.362 ccw(c77.089,29.108) 76.835,29.108 76.835,23.139 ; 80.848,3.607 ccw(c81.102,3.607) 81.102,3.353 85.75,3.353 ccw(c85.75,3.607) 86.004,3.607 86.004,10.058 ccw(c85.75,10.058) 85.75,10.312 81.102,10.312 ccw(c81.102,10.058) 80.848,10.058 80.848,3.607 ; 94.031,23.774 ccw(c94.285,23.774) 94.285,23.52 98.323,23.52 ccw(c98.323,23.774) 98.577,23.774 98.577,31.039 ccw(c98.323,31.039) 98.323,31.293 94.285,31.293 ccw(c94.285,31.039) 94.031,31.039 94.031,23.774
  text "MAIN" at 80.721,29.896 h1
Top Solder:
  region: 71.984,36.195 ccw(c71.984,34.163) 69.952,34.163 ccw(c71.984,34.163) 71.984,32.131 ccw(c71.984,34.163) 74.016,34.163 ccw(c71.984,34.163) 71.984,36.195
  region: 71.984,34.671 ccw(c71.984,34.163) 71.476,34.163 ccw(c71.984,34.163) 71.984,33.655 ccw(c71.984,34.163) 72.492,34.163 ccw(c71.984,34.163) 71.984,34.671
Bottom Solder:
  region: 70.866,10.163 70.859,10.155 70.231,10.155 70.231,10.719 70.764,11.252 70.968,11.252 71.526,10.693 71.526,10.154
  region: 79.019,2.79 79.027,2.797 79.916,2.797 79.916,2.37 79.172,1.626 78.842,1.626 78.125,2.342 78.125,2.802
Route Tool Path:
  lines w0.254: 75.844,8.979 75.844,9.309 ; 75.844,9.842 75.844,10.173 ; 75.844,10.706 75.844,11.036 ; 75.844,11.481 75.844,11.811 ; 75.844,20.155 75.844,20.485 ; 75.844,21.018 75.844,21.349 ; 75.844,21.882 75.844,22.212 ; 75.844,22.657 75.844,22.987 ; 76.327,8.979 76.327,9.309 ; 76.327,9.817 76.327,10.147 ; 76.327,10.731 76.327,11.062 ; 76.327,11.493 76.327,11.824 ; 76.327,20.155 76.327,20.485 ; 76.327,20.993 76.327,21.323 ; 76.327,21.907 76.327,22.238 ; 76.327,22.669 76.327,23
  lines w1: 76.073,12.814 76.073,19.253 ; 76.098,-0.025 76.098,7.995 ; 76.098,24.035 76.098,32.055

## Text inside footprints (layer, text, board x,y; h text height)
BR1: Top Overlay "~" at 37.216,49.479 h1.52 r90; Top Overlay "~" at 37.116,54.579 h1.52 r90
S1: Top Overlay "D" at 86.16,20.795 h1; Top Overlay "S" at 88.783,23.742 h1; Top Overlay "G" at 84.983,25.842 h1
T1: Top Overlay "INPUT" at 15.824,86.411 h1; Top Overlay "OUTPUT" at 41.3,56.032 h1